# KiCad board 8851_HW-U1-VCU118_REV2-0_071417.kicad_pcb (continued)
## Routing (per net, layer and track width the routed paths; a pad name or vN(x,y) marks a point on that pad's centre or on a via; arc(x,y) is an arc through that point) (continued)
  BOTTOM w0.275: 151.15,99.13 151.15,99.65 v3(151,99.8)
DDR4_C2_VREFA: length 3
  TOP w0.375: 161.38,44.84 v1(161.77,44.45)
  BOTTOM w0.25: v1(161.77,44.45) 161.82,44.4 C1144.1 161.82,42.7 161.86,42.65 162.49,42.65
DDR4_C2_VREFB: length 3
  TOP w0.375: 161.38,58.72 v1(161.77,58.32)
  BOTTOM w0.25: v1(161.77,58.32) 161.82,58.28 C1147.1 161.82,57.12 161.86,57.08 161.86,56.53 162.49,56.53
DDR4_C2_VREFC: length 3
  TOP w0.375: 161.38,72.59 v1(161.77,72.2)
  BOTTOM w0.25: 162.49,70.4 161.86,70.4 161.86,71.44 C1150.1 161.82,72.15 v1(161.77,72.2)
DDR4_C2_VREFD: length 3
  TOP w0.375: 161.38,86.47 v1(161.77,86.07)
  BOTTOM w0.25: 162.49,84.28 161.86,84.28 161.86,84.74 161.82,84.79 C1153.1 161.82,86.03 v1(161.77,86.07)
DDR4_C2_VREFE: length 2.9
  TOP w0.375: 161.38,30.72 v1(161.77,30.32)
  BOTTOM w0.25: v1(161.77,30.32) 161.82,30.28 C1162.1 161.86,29.57 161.86,28.65 162.49,28.65
DDR4_C2_VTERM_0V60_PGOOD: length 116.1
  TOP w0.138: Q37.1 v3(202.43,152.7)
  05_SIG2 w0.17: v3(141.94,101.54) 143.38,102.99 144.19,102.99 147.94,106.74 152.73,106.74 153.61,105.86 154.25,105.86 154.69,106.29 156.53,106.29 157.43,105.39 164.81,105.39 170.38,110.97 170.38,120.48 172.22,122.33 172.22,129.65 167.94,133.94 167.94,136.6 168.4,137.06 168.4,142.9 173.33,147.83 178.02,147.83 178.02,147.83 178.47,147.83 181.95,151.3 189.48,151.3 190.28,152.1 194.33,152.1 195.12,151.31 199.88,151.31 200.79,152.22 200.79,152.87 201.17,153.24 201.88,153.24 v3(202.43,152.7)
  BOTTOM w0.15: 143.79,100.53 143.79,99.97 143.62,99.8 143.62,99.55 143.49,99.42 R929.2 143.49,98.3 143.25,98.06 142.33,98.06 141.94,98.45 v3(141.94,101.54)
DDR4_C2_VTERM_EN: length 4
  BOTTOM w0.15: 144.77,100.53 144.77,98.95 144.12,98.3 144.12,97.67 143.88,97.42 R928.2
DDR4_C2_VTERM_REFOUT: length 1.5
  TOP w0.15: v3(146,100.53) 145.98,100.55 145.24,100.55
  BOTTOM w0.15: v3(146,100.53) 145.27,100.53
DDR4_C2_VTT: length 73.7
  TOP w0.25: v3(161.15,97.39) 161.16,97.4 161.16,98.3
  TOP w0.375: 146.95,101.93 146.95,101.1 v3(147,101.05) ; v3(149.32,101.07) 149.32,101.4 149.4,101.49 149.4,101.97 ; 148.28,101.77 v3(148.28,101.08) ; C1158.1 150.13,97.81 v3(149.88,97.55)
  16_SIG5 w0.375: v3(174.93,138.45) 174,137.53 174,128 174.97,127.02 174.97,113.6 166.96,105.59 166.96,102.08 168.22,100.83 168.22,99.31 167.5,98.59 162.36,98.59 v3(161.15,97.39)
  20_SIG7 w0.375: J88.1 161.57,141.93 167.5,141.93 169.58,139.84 173.54,139.84 v3(174.93,138.45)
  BOTTOM w0.3: 144.28,103.44 144.28,104.51 144.32,104.55
DDR4_C2_ZQA: length 1.5
  TOP w0.15: 156.65,51.14 v1(156.26,51.53)
  BOTTOM w0.25: v1(156.26,51.53) 155.73,52.06 155.73,52.24
  vias: v1(155.47,46.02)
DDR4_C2_ZQB: length 1.5
  TOP w0.15: 156.65,65.02 v1(156.26,65.41)
  BOTTOM w0.15: 155.73,66.12 155.73,66.04 156.26,65.52 v1(156.26,65.41)
  vias: v1(155.47,59.9)
DDR4_C2_ZQC: length 1.6
  TOP w0.15: 156.65,78.89 v1(156.26,79.28)
  BOTTOM w0.25: 155.73,80.12 155.73,79.81 v1(156.26,79.28)
  vias: v1(155.47,73.77)
DDR4_C2_ZQD: length 1.6
  TOP w0.15: 156.65,92.77 v1(156.26,93.16)
  BOTTOM w0.15: v1(156.26,93.16) 155.73,93.69 155.73,93.99
  vias: v1(155.47,87.65)
DDR4_C2_ZQE: length 1.6
  TOP w0.15: 156.65,37.02 v1(156.26,37.41)
  BOTTOM w0.25: v1(156.26,37.41) 155.73,37.94 155.73,38.24
  vias: v1(155.47,31.9)
DXN: length 95.4
  TOP w0.102: C240.2 v3(175.12,34.88)
  TOP w0.15: v2(118.34,57.92) 117.85,58.41
  07_SIG3 w0.092: 125.61,40.57 125.61,40.59 125.66,40.64 125.66,44.75 125.61,44.79 125.61,46.57 125.66,46.61 125.66,58.22 125.56,58.32 118.75,58.32 v2(118.34,57.92)
  07_SIG3 w0.133: v3(124.85,35.84) 125.08,35.61 125.27,35.61 125.4,35.74 125.4,36.25 126.17,37.02 126.17,39.17 125.61,39.74 125.61,40.57
  14_SIG4 w0.087: v3(124.85,35.84) 125.11,35.58 126.36,35.58 132.51,29.43 133.98,29.43 134.04,29.48 139.15,29.48 143.59,25.05 148.85,25.05 149.18,25.38 151.72,25.38 152.05,25.05 155.6,25.05 156.16,25.6 164.18,25.6 169.29,30.71 169.78,30.71 170.33,31.26 170.33,32.8 171.06,33.53 171.06,34.87 171.95,35.76 174.31,35.76 174.76,35.31 174.76,35.04 174.93,34.88 v3(175.12,34.88)
  BOTTOM w0.102: Z8.1 v3(175.12,34.88)
DXP: length 110.3
  TOP w0.102: v3(174.13,34.88) C240.1
  TOP w0.15: v3(171.85,36.35) 172.17,36.67 172.62,36.67 ; 117.85,59.39 v2(118.34,58.9)
  07_SIG3 w0.092: 125.88,40.57 125.88,40.59 125.83,40.64 125.83,44.82 125.79,44.86 125.79,46.5 125.83,46.54 125.83,58.3 125.63,58.5 118.75,58.5 v2(118.34,58.9)
  07_SIG3 w0.133: v3(124.85,35.04) 125.13,35.33 125.38,35.33 125.67,35.62 125.67,36.14 126.44,36.91 126.44,39.29 125.88,39.85 125.88,40.57
  14_SIG4 w0.087: v3(174.13,34.88) 174.32,34.88 174.49,35.04 174.49,35.2 174.2,35.48 172.06,35.48 171.34,34.76 171.34,33.41 170.61,32.68 170.61,31.15 169.9,30.43 169.4,30.43 164.3,25.33 156.27,25.33 155.72,24.77 151.94,24.77 151.61,25.1 149.45,25.1 149.12,24.77 143.48,24.77 141.7,26.55 139.04,29.21 134.15,29.21 134.1,29.15 132.4,29.15 126.24,35.31 125.11,35.31 v3(124.85,35.04)
  BOTTOM w0.102: v3(174.13,34.88) 173.72,35.28 173.72,35.65 173.94,35.86 174.64,35.86
  BOTTOM w0.15: U31.8 171.08,35.86 171.57,36.35 v3(171.85,36.35) 171.85,34.75 170.62,33.53 170.62,31.05 172.02,29.66 172.02,27.55
ENET_LED_0: length 35.6
  TOP w0.102: U7.47 34,141.45 34.14,141.58 34.14,142.36 v3(33.79,142.7)
  TOP w0.15: 39.64,139.62 39.02,139.62 38.75,139.35 v3(38.75,138.85) ; v3(45.1,139.75) 45.42,140.08 45.88,140.08 46.35,140.55 Q18.1 ; v3(42.5,142.75) R62.1
  05_SIG2 w0.133: v3(33.79,142.7) 34.11,142.39 34.11,142.2 33.79,141.88 33.12,141.88 32.4,142.6 32.4,143.71 32.7,144.01 32.89,144.01 33.12,143.78 33.31,143.78 33.5,143.97 33.5,144.16 33.27,144.39 33.27,144.58 34.02,145.34 34.02,148.55 33.17,149.41 33.17,150.37 33.27,150.47 34.03,150.47
  05_SIG2 w0.17: v3(45.1,139.75) 44.92,139.75 44.45,139.28 43.7,139.28 43.08,139.9 43.08,142.18 v3(42.5,142.75) 40.95,141.2 40.95,139.88 39.92,138.85 v3(38.75,138.85)
  BOTTOM w0.15: v3(42.5,142.75) R62.1 ; v3(45.1,139.75) 45.38,140.03 46.23,140.03 46.48,139.77 46.48,139.35 46.12,138.98 46.12,138.18
ENET_LED_0_LS: length 8
  TOP w0.15: 42.87,145.18 44.48,145.18 44.94,144.71 44.94,142.94 44.73,142.73 44.73,142.33 45.19,141.86 45.19,141.74 45.95,140.98 46.4,140.98 46.76,141.34 Q18.3
ENET_LED_1: length 27.1
  TOP w0.102: v3(34.71,142.7) 34.36,142.36 34.36,141.58 34.5,141.45 U7.46
  TOP w0.138: R63.1 v3(41.62,140.93)
  TOP w0.15: 41.3,141.96 41.3,141.25 v3(41.62,140.93) 40.98,140.28 40.98,139.73 40.38,139.13 39.64,139.13 ; v3(43.67,142.7) 44.03,143.06 44.27,143.06
  05_SIG2 w0.133: v3(34.71,142.7) 34.39,142.39 34.39,142.08 33.9,141.6 33.01,141.6 32.12,142.49 32.12,143.83 33.75,145.45 33.75,148.44 32.89,149.29 32.89,150.36 32.78,150.47 32.03,150.47
  BOTTOM w0.15: R63.1 v3(41.62,140.93) 41.3,141.25 41.3,141.96 41.81,141.96 41.98,142.12 41.98,143.03 42.35,143.4 42.98,143.4 v3(43.67,142.7)
ENET_LED_1_LS: length 16.3
  TOP w0.15: v3(43.38,144.3) 43.48,144.19 43.48,143.45
  14_SIG4 w0.087: v3(43.38,144.3) 43.38,145.1 42.5,145.98 32,145.98 30,147.97
ENET_LED_2: length 9.5
  TOP w0.138: v3(41.61,139.82) 41.72,139.93 R64.1
  TOP w0.15: 39.64,138.64 40.46,138.64 41.33,139.5 41.33,139.63 41.51,139.82 v3(41.61,139.82)
  TOP w0.25: U7.45 v3(34.99,141.8)
  BOTTOM w0.15: 42.47,137.64 42.43,137.68 R204.1 42.43,139.85 R64.1 41.72,139.93 v3(41.61,139.82) 41.52,139.91 40.95,139.91
  BOTTOM w0.25: v3(34.99,141.8) 34.87,141.68 34.87,140.79
ENET_LED_2_LS: length 8.4
  BOTTOM w0.15: Q59.3 40.55,140.82 39.98,141.4 39.52,141.4 39,141.93 39,144.93 39.55,145.47 39.55,147.97
ENET_TD_A_N: length 10.6
  TOP w0.15: 31.25,141.14 29.8,141.14 29.8,140.33 29.5,140.03 27.62,140.03 27.5,139.9 27.5,139.65 27.65,139.5 30.93,139.5 31.3,139.87 31.55,139.62 U7.2
ENET_TD_A_P: length 10.6
  TOP w0.102: 38.93,140.83 38.93,141.45 38.77,141.61 38.77,146.77 38.27,147.27 38.27,148.33 39.13,149.18 39.13,149.58 40.02,150.47
ENET_TD_B_N: length 19.3
  TOP w0.102: v3(36.75,142.55) 37.09,142.21 37.09,141.58 36.96,141.45 36.96,140.83
  07_SIG3 w0.133: 39.02,152.97 38.3,152.97 38.16,152.84 38.16,152.25 36.8,150.89 36.8,147.51 39.12,145.19 39.12,141.54 38.64,141.05 37.44,141.05 37.07,141.42 37.07,142.23 v3(36.75,142.55)
ENET_TD_B_P: length 19.4
  TOP w0.102: v3(37.66,142.55) 37.32,142.21 37.32,141.58 37.45,141.45 37.45,140.83
  07_SIG3 w0.133: 37.02,152.97 37.75,152.97 37.89,152.84 37.89,152.36 36.52,151 36.52,147.4 38.85,145.08 38.85,142.94 38.72,142.8 38.36,142.8 38.23,142.67 38.23,142.41 38.36,142.27 38.72,142.27 38.85,142.14 38.85,141.65 38.52,141.33 37.55,141.33 37.34,141.53 37.34,142.23 v3(37.66,142.55)
ENET_XI: length 16.3
  TOP w0.102: U7.15 34.5,133.4 34.63,133.27 34.63,133.03 34.27,132.68 33.15,132.68 32.9,132.43 32.9,132.05 32.83,131.98 32.39,131.98
  TOP w0.15: 32.8,139.13 31.55,139.13 31.3,138.89 31.04,139.15 27.5,139.15 27.12,139.53 27.12,143.25 27.29,143.41 27.95,143.41 27.95,144.33 28.2,144.58 C144.1
FAN_FAIL_B: length 14.9
  TOP w0.15: v3(176,37.42) 176,37.08 175.63,36.71 R192.2
  05_SIG2 w0.17: v3(176,37.42) 176.65,36.77 176.65,28.96 v3(175.91,28.22)
  BOTTOM w0.15: v3(175.91,28.22) 175.76,28.07 Q22.3 ; 174.64,38.36 175.44,38.36 176,37.8 v3(176,37.42)
FAN_FAIL_LS_B: length 116
  TOP w0.15: v3(174.29,24.5) 173.75,25.04 173.75,26.55 171.97,28.32 170.18,28.32 168.62,29.89 152.04,29.89 149.3,32.63 143.45,32.63 142,31.17 142,29.92 141.52,29.45 140.73,29.45 138.62,27.34 132.91,27.34 131.87,28.38 131.87,32.78 128.88,35.77 v3(126.93,35.77) ; 131.63,74.16 v2(132.12,74.65)
  07_SIG3 w0.17: v2(132.12,74.65) 131.72,74.65 131.31,74.24 130.93,74.24 130.65,73.96 130.65,73.36 130.46,73.17 129.9,73.17 129.66,72.94 129.66,72.49 129.37,72.19 125.05,72.19 124.74,71.88 124.74,71.36 124.58,71.2 123.97,71.2 123.76,70.99 123.76,66.55 124.02,66.28 125.6,66.28 125.73,66.16 125.73,65 125.9,64.83 126.85,64.83 127.69,63.98 127.69,36.53 v3(126.93,35.77)
  BOTTOM w0.15: 173.86,27.28 173.86,26.66 173.76,26.56 173.76,26.05 173.76,25.03 v3(174.29,24.5)
  BOTTOM w0.375: Q22.2 174.64,26.74 174.74,26.64 R210.2 174.74,25.74 v3(174.3,25.3)
FAN_OT_LS_B: length 134.3
  TOP w0.15: v2(136.06,81.54) 135.57,81.05
  03_SIG1 w0.17: v3(140.78,98.42) 141.52,98.42 141.97,98.86 141.97,99.64 142.92,100.6 144.77,100.6 146.76,102.58 146.76,103.25 147.36,103.85 147.36,104.31 148.65,105.59 148.65,105.6 156.26,105.6 157.25,104.6 168.46,104.6 169.51,103.55 169.51,92.53 168.98,92 168.98,87.58 167.86,86.46 167.86,77.95 166.88,76.97 166.88,67.9 165.62,66.64 165.62,49.5 166.5,48.62 166.5,43.73 167.34,42.89 167.34,38.44 168.38,37.39 168.38,34.32 168.1,34.04 168.1,28.87 v3(168.7,28.27)
  20_SIG7 w0.087: v2(136.06,81.54) 136.55,82.03 136.55,88.28 139.51,91.25 139.51,95.08 139.92,95.48 139.92,96.13 140.78,96.99 v3(140.78,98.42)
  BOTTOM w0.15: 171.23,27.94 170.78,27.94 170.68,28.04 168.93,28.04 v3(168.7,28.27)
FAN_PWR_B: length 4.6
  TOP w0.15: J73.1 169.27,31.84 169.27,33.8 170.05,34.58 170.05,36.14
FIREFLY_INT_B: length 10.5
  TOP w0.15: 43.34,83.9 43.34,82.97 v3(42.88,82.51)
  03_SIG1 w0.17: v3(48.51,77.92) 48.34,77.75 46.95,77.75 42.88,81.83 v3(42.88,82.51)
  BOTTOM w0.15: U22.9 v3(48.51,77.92)
FIREFLY_INT_LS_B: length 121.9
  TOP w0.15: v2(139.01,65.79) 138.52,65.3
  05_SIG2 w0.17: v3(63.84,91.12) 63.84,88.92 63.48,88.55 59.9,88.55 57.93,86.58 57.93,81.11 54.93,78.1 52.53,78.1 51.79,77.36 v3(51.79,76.48)
  BOTTOM w0.111: 134.92,67.25 134.8,67.37 131.78,67.37 131.63,67.52
  BOTTOM w0.15: v3(63.84,91.12) 65.6,89.36 80.21,89.36 82.15,91.3 85.03,91.3 85.97,90.35 99.75,90.35 101.12,88.98 101.12,82.33 101.42,82.03 101.84,82.03 102.1,81.77 102.1,81.35 102.4,81.05 102.85,81.05 103.1,80.8 103.1,79.36 103.38,79.08 103.78,79.08 104.07,78.78 104.07,78.38 104.33,78.12 104.83,78.12 105.06,77.89 105.06,77.41 105.31,77.15 105.8,77.15 106,76.95 106,76.46 106.34,76.12 116.13,76.12 117.11,75.14 117.56,75.14 117.85,74.84 117.85,74.38 118.08,74.16 126.47,74.16 126.71,73.92 126.71,73.47 127.01,73.17 127.48,73.17 127.69,72.96 127.69,72.48 127.99,72.19 128.44,72.19 128.68,71.95 128.68,71.5 128.97,71.2 129.47,71.2 129.66,71.01 129.66,70.52 129.96,70.22 130.51,70.22 130.65,70.08 130.65,69.53 130.94,69.24 131.4,69.24 131.63,69 131.63,67.52 ; U22.4 51.6,77.92 51.79,77.73 v3(51.79,76.48) ; v2(139.01,65.79) 138.51,66.29 138.51,67.01 138.27,67.25 134.92,67.25
FIREFLY_MODPRS_B: length 12
  TOP w0.15: 44.92,83.9 v3(44.92,82.57)
  05_SIG2 w0.17: v3(48.82,76.57) 48.82,76.86 48.01,77.68 47.06,77.68 44.92,79.81 v3(44.92,82.57)
  BOTTOM w0.15: 49.36,77.53 49.04,77.53 48.82,77.31 v3(48.82,76.57)
  BOTTOM w0.2: v3(48.75,79.04) 48.75,78.6 49.03,78.32 U22.8
FIREFLY_MODPRS_LS_B: length 109.5
  TOP w0.15: 136.55,63.33 v2(137.04,62.84)
  03_SIG1 w0.17: v3(51.14,77.03) 51.76,77.66 55.29,77.66 59.67,73.28 61.11,73.28 63.2,71.19 v3(64.69,71.19)
  BOTTOM w0.111: 130.51,59.39 130.61,59.29 132.4,59.29 132.71,59.61 132.71,60.15 132.84,60.28 133.4,60.28 133.7,60.57 133.7,61.05 134,61.35 134.4,61.35 134.52,61.47 135.26,61.47 135.53,61.74 135.53,62.09
  BOTTOM w0.15: v3(64.69,71.19) 65.63,70.24 65.63,67.75 66.92,66.46 79.79,66.46 81.02,65.23 81.02,60.65 81.24,60.42 81.82,60.42 83.23,59.01 83.23,58.49 83.7,58.03 90.1,58.03 92.45,60.38 105.74,60.38 106.04,60.67 106.04,61.07 106.34,61.36 106.73,61.36 107.02,61.66 107.02,62.1 107.27,62.35 107.71,62.35 108.01,62.64 108.01,62.93 108.4,63.33 111.65,63.33 111.95,63.63 111.95,64 112.92,64.97 115.68,64.97 116.37,64.28 125.5,64.28 125.73,64.04 125.73,63.62 126.02,63.33 126.43,63.33 126.71,63.05 126.71,62.64 127.01,62.35 127.4,62.35 127.69,62.05 127.69,61.64 127.97,61.36 128.44,61.36 128.68,61.12 128.68,60.67 128.97,60.38 129.37,60.38 129.66,60.08 129.66,59.69 129.96,59.39 130.51,59.39 ; v2(137.04,62.84) 136.56,62.35 135.79,62.35 135.53,62.09 ; 51.14,77.53 v3(51.14,77.03)
FIREFLY_MODSEL_LS_B: length 303.5
  TOP w0.15: 135.57,64.31 v2(136.06,63.82)
  14_SIG4 w0.087: v3(36.03,36.58) 36.03,15.94 37.74,14.23 44.83,14.23 45.29,13.76 51.04,13.76 52.53,15.25 65.03,15.25 65.86,14.43 78.62,14.43 79.28,15.09 81.28,15.09 82.64,13.73 86.48,13.73 87.47,14.71 90.43,14.71 91.61,13.53 99.92,13.53 100.12,13.33 113.95,13.33 116.03,15.4 118.58,15.4 119.35,16.18 119.35,17.93 117.01,20.27 117.01,20.9 116.02,21.89 116.02,25.67 118.78,28.43 132.71,28.43 133.8,27.33 138.34,27.33 139.88,25.8 141.47,25.8 143.46,23.82 154.79,23.82 155.21,24.24 156.61,24.24 157.1,24.73 164.35,24.73 166.37,26.74 168.63,26.74 169.75,27.86 v3(169.75,29.8)
  16_SIG5 w0.087: v3(169.75,29.8) 169.09,29.8 168.06,30.83 168.06,31.89 166.47,33.48 152.29,33.48 142.65,43.12 142.65,46.45 140.43,48.67 135.88,48.67 135.65,48.91 135.65,49.31 135.31,49.65 132.96,49.65 132.7,49.91 132.7,52.22 132.88,52.4 133.39,52.4 133.7,52.71 133.7,62.25 133.85,62.4 134.32,62.4 134.6,62.67 134.6,63.1 134.82,63.32 135.56,63.32 v2(136.06,63.82)
  20_SIG7 w0.087: v3(54.8,76.96) 55.26,76.5 55.26,75.62 53.83,74.2 53.83,66.41 52.4,64.97 38,64.97 36.03,63.01 v3(36.03,36.58)
  BOTTOM w0.15: 54.51,77.53 54.51,77.25 v3(54.8,76.96)
  BOTTOM w0.2: U33.5 v3(54.51,78.89)
FIREFLY_RESET_B: length 20.8
  TOP w0.15: 42.56,83.9 42.56,84.78 42.9,85.12 v3(44.35,85.12)
  20_SIG7 w0.087: v3(52.04,75.74) 49.95,75.74 49.61,76.08 48.45,76.08 48.02,76.5 47.03,76.5 46.52,77.02 46.52,79.51 44.41,81.62 44.41,84.11 44.35,84.17 v3(44.35,85.12)
  BOTTOM w0.15: U33.9 52.28,77.92 52.14,77.78 52.14,76.84 52.29,76.69 52.29,75.98 v3(52.04,75.74)
FIREFLY_RESET_LS_B: length 109.2
  TOP w0.15: v2(138.03,65.79) 137.54,65.3
  18_SIG6 w0.087: v3(55.04,79.51) 57.53,82 57.53,86.15 60.19,88.8 v3(64.98,88.8)
  BOTTOM w0.111: 119.72,73.27 122.9,73.27 ; 131.53,67.17 134.41,67.17 134.47,67.1
  BOTTOM w0.15: v3(55.04,79.51) 55.16,79.39 55.16,78.12 54.97,77.92 U33.4 ; 134.47,67.1 134.59,66.99 134.59,66.54 134.86,66.26 137.55,66.26 v2(138.03,65.79) ; 122.9,73.27 123,73.17 126.41,73.17 126.71,72.88 126.71,72.48 127.01,72.19 127.4,72.19 127.69,71.89 127.69,71.5 127.99,71.2 128.38,71.2 128.68,70.91 128.68,70.52 128.97,70.22 129.37,70.22 129.66,69.92 129.66,69.53 129.96,69.24 130.35,69.24 130.65,68.94 130.65,67.56 130.96,67.25 131.33,67.25 131.42,67.17 131.53,67.17 ; 119.72,73.27 119.62,73.17 117.08,73.17 116.83,73.42 116.83,73.9 115.58,75.14 106.34,75.14 106.05,75.43 106.05,75.82 105.74,76.12 105.4,76.12 105.06,76.47 105.06,76.81 104.77,77.1 104.33,77.1 104.07,77.35 104.07,77.87 103.85,78.09 103.3,78.09 103.09,78.31 103.09,78.78 102.79,79.08 102.4,79.08 102.1,79.37 102.1,79.85 101.89,80.06 101.42,80.06 101.12,80.36 101.12,80.75 100.82,81.05 100.43,81.05 100.13,81.34 100.13,81.73 99.84,82.03 99.45,82.03 99.15,82.33 99.15,87.87 98.05,88.97 80.83,88.97 80.65,88.8 v3(64.98,88.8)
FIREFLY_RX1_N: length 93.5
  TOP w0.102: 39.01,65.73 39.01,66.32 arc(39.02,66.36) 39.04,66.39 39.12,66.46 arc(39.14,66.5) 39.15,66.54 39.15,66.82 arc(39.18,66.98) 39.26,67.11 arc(39.3,67.16) 39.31,67.23 39.31,68.38 arc(39.36,68.6) 39.48,68.78 39.72,69.02 arc(39.87,69.12) 40.05,69.16 arc(40.18,69.18) 40.29,69.25 40.49,69.45 arc(40.59,69.6) 40.62,69.78 40.62,70.34 arc(40.6,70.44) 40.55,70.52 v3(40.24,70.83)
  TOP w0.113: v2(102.6,42.17) 103.09,42.66
  05_SIG2 w0.107: v2(102.6,42.17) 102.6,42.45 arc(102.56,42.53) 102.49,42.56 101.42,42.56 arc(101.69,43.22) 101.03,42.95 101.03,43.29 arc(100.96,43.47) 100.78,43.54 93.54,43.54 arc(93.33,43.59) 93.15,43.71 93,43.86 arc(92.94,43.89) 92.87,43.91 92.39,43.91 arc(92.31,43.89) 92.25,43.85
  05_SIG2 w0.15: v3(40.24,70.83) 40.5,70.57 arc(40.54,70.52) 40.55,70.46 40.55,69.82 arc(41.95,70.4) 41.37,68.99 42.06,68.99 arc(42.37,68.86) 42.5,68.55 42.5,66.42 arc(44.51,67.26) 43.68,65.25 52.86,65.25 arc(54.78,64.87) 56.4,63.78 56.85,63.34 56.85,63.34 64.59,55.6 arc(64.78,55.31) 64.85,54.98 64.85,51.63 arc(65.25,49.64) 66.38,47.95 arc(67.19,47.4) 68.15,47.21 68.53,47.21 arc(69.25,47.07) 69.86,46.66 arc(70.41,46.29) 71.06,46.16 82.31,46.16 arc(82.95,46.04) 83.49,45.67 84.84,44.33 arc(85.36,43.98) 85.98,43.85 92.25,43.85
FIREFLY_RX1_P: length 91.7
  TOP w0.102: 39.5,65.73 39.5,66.32 arc(39.5,66.36) 39.47,66.39 39.4,66.46 arc(39.57,66.58) 39.37,66.54 39.37,66.82 arc(39.38,66.89) 39.42,66.95 arc(39.51,67.08) 39.54,67.23 39.54,68.38 arc(39.57,68.51) 39.64,68.62 39.88,68.86 arc(39.96,68.91) 40.05,68.93 arc(40.27,68.97) 40.45,69.1 40.65,69.29 arc(40.8,69.51) 40.85,69.78 40.85,70.34 arc(40.87,70.44) 40.93,70.53 v3(41.23,70.83)
  TOP w0.113: v2(102.6,43.15) 103.09,43.64
  05_SIG2 w0.107: 92.25,44.23 92.28,44.2 arc(92.38,44.13) 92.49,44.11 92.87,44.11 arc(93.02,44.08) 93.14,44 93.29,43.85 arc(93.41,43.77) 93.54,43.74 100.78,43.74 arc(101.1,43.61) 101.23,43.29 101.23,42.95 arc(101.55,43.08) 101.42,42.76 102.49,42.76 arc(102.56,42.79) 102.6,42.87 v2(102.6,43.15)
  05_SIG2 w0.15: 92.25,44.23 85.98,44.23 arc(85.51,44.32) 85.1,44.59 83.76,45.94 arc(83.09,46.38) 82.31,46.54 71.06,46.54 arc(70.55,46.64) 70.13,46.92 arc(69.39,47.42) 68.53,47.59 68.15,47.59 arc(67.33,47.75) 66.64,48.21 arc(65.59,49.78) 65.23,51.63 65.23,54.98 arc(65.13,55.46) 64.86,55.87 58.19,62.54 58.17,62.55 arc(58.17,62.55) 58.17,62.55 56.67,64.05 arc(54.92,65.21) 52.86,65.62 43.68,65.62 arc(44.24,66.99) 42.88,66.42 42.88,66.84 arc(42.94,67) 43.11,67.07 arc(43.28,67.14) 43.35,67.31 43.35,67.59 arc(43.28,67.75) 43.11,67.82 arc(43.28,68.23) 42.88,68.06 42.88,68.55 arc(42.64,69.13) 42.06,69.37 41.37,69.37 arc(41.69,70.13) 40.92,69.82 40.92,70.46 arc(40.93,70.52) 40.97,70.57 v3(41.23,70.83)
FIREFLY_RX2_N: length 114.2
  TOP w0.102: 39.01,64.15 39.01,63.7 arc(39.25,63.75) 39.05,63.61 39.1,63.56 arc(39.13,63.51) 39.15,63.45 39.15,62.97 arc(39.12,62.83) 39.04,62.71 v3(38.77,62.43)
  TOP w0.113: v2(100.63,42.17) 101.12,42.66
  05_SIG2 w0.107: v2(100.63,42.17) 100.63,42.45 arc(100.6,42.53) 100.52,42.56 100.41,42.56 arc(100.29,42.51) 100.24,42.38 100.24,41.83 arc(100.7,41.92) 100.31,41.65 100.32,41.64 100.32,41.61
  05_SIG2 w0.15: v3(38.77,62.43) 39.03,62.17 arc(39.06,62.13) 39.07,62.07 39.07,61.51 arc(39.04,61.34) 38.94,61.2 38.01,60.26 arc(38.01,60.26) 38,60.26 37.6,59.86 arc(39.84,58.36) 37.2,58.89 37.2,57.01 arc(38.73,57.64) 38.1,56.11 43.45,56.11 arc(43.81,56.18) 44.12,56.39 45.04,57.31 arc(45.8,57.81) 46.69,57.99 56.3,57.99 arc(56.79,57.89) 57.21,57.62 57.61,57.21 arc(57.91,56.76) 58.02,56.23 58.02,52.6 arc(65.07,54) 59.09,50.01 65.89,43.22 arc(67.21,42.33) 68.76,42.03 80.79,42.03 arc(81.17,41.95) 81.49,41.73 82.57,40.66 arc(83.26,40.2) 84.06,40.04 99,40.04 arc(99.94,40.43) 100.32,41.36 100.32,41.61
FIREFLY_RX2_P: length 104.9
  TOP w0.102: v3(39.75,62.43) 39.47,62.72 arc(39.4,62.82) 39.37,62.95 39.37,63.45 arc(39.67,63.39) 39.42,63.56 39.46,63.61 arc(39.49,63.65) 39.5,63.71 39.5,64.15
  TOP w0.113: v2(100.63,43.15) 101.12,43.64
  05_SIG2 w0.107: v2(100.63,43.15) 100.63,42.87 arc(100.6,42.79) 100.52,42.76 100.41,42.76 arc(100.15,42.65) 100.04,42.38 100.04,41.83 arc(100.02,41.73) 99.97,41.65 99.95,41.64 99.95,41.61
  05_SIG2 w0.15: 99.95,41.61 99.95,41.36 arc(99.67,40.69) 99,40.41 84.06,40.41 arc(83.4,40.55) 82.84,40.92 81.76,42 arc(81.32,42.3) 80.79,42.4 68.76,42.4 arc(67.35,42.68) 66.15,43.48 59.36,50.28 arc(64.72,53.86) 58.39,52.6 58.39,56.23 arc(58.26,56.91) 57.88,57.48 57.48,57.88 arc(56.94,58.24) 56.3,58.37 46.69,58.37 arc(45.65,58.16) 44.77,57.57 43.85,56.65 arc(43.67,56.53) 43.45,56.49 38.1,56.49 arc(38.46,57.38) 37.58,57.01 37.58,57.42 arc(37.63,57.54) 37.75,57.59 arc(37.87,57.65) 37.92,57.77 37.92,58.17 arc(37.87,58.29) 37.75,58.34 arc(37.87,58.64) 37.58,58.52 37.58,58.89 arc(37.65,59.27) 37.87,59.59 38.27,59.99 arc(38.38,60.04) 38.49,59.99 arc(38.66,59.93) 38.82,59.99 39.02,60.2 arc(39.09,60.36) 39.02,60.52 arc(39.3,60.64) 39.02,60.75 39.21,60.93 arc(39.38,61.2) 39.45,61.51 39.45,62.07 arc(39.46,62.13) 39.49,62.17 v3(39.75,62.43)
FIREFLY_RX3_N: length 83.3
  TOP w0.102: v3(40.24,67.44) 40.53,67.16 arc(40.6,67.05) 40.62,66.93 40.62,66.43 arc(40.61,66.37) 40.58,66.32 40.53,66.27 arc(40.5,66.23) 40.49,66.17 40.49,65.73
  TOP w0.113: v2(98.66,42.17) 99.15,42.66
  TOP w0.375: v2(93.74,82.52) U1.F1
  05_SIG2 w0.107: v2(98.66,42.17) 98.66,42.45 arc(98.63,42.53) 98.55,42.56 98.4,42.56 arc(98.3,42.52) 98.25,42.41 98.25,41.82 arc(98.1,41.46) 97.75,41.31 97.38,41.31 arc(97.29,41.29) 97.22,41.25 97.2,41.22 97.17,41.22
  05_SIG2 w0.15: v3(40.24,67.44) 40.5,67.18 arc(40.54,67.14) 40.55,67.08 40.55,64.39 arc(40.54,64.33) 40.5,64.28 40.49,64.27 arc(40.46,64.22) 40.45,64.17 40.45,61.86 arc(42.06,62.53) 41.4,60.92 46.24,60.92 arc(46.4,60.89) 46.52,60.8 arc(46.82,60.61) 47.16,60.54 54.74,60.54 arc(55.94,60.3) 56.96,59.62 59.21,57.36 arc(59.77,56.53) 59.96,55.56 59.96,53.22 arc(60.41,50.97) 61.69,49.06 66.71,44.03 arc(67.82,43.3) 69.11,43.04 77.59,43.04 arc(78.09,43.14) 78.52,43.42 arc(78.95,43.71) 79.46,43.81 80.17,43.81 arc(81.03,43.64) 81.76,43.16 82.25,42.67 82.92,42 arc(83.78,41.42) 84.79,41.22 97.17,41.22
FIREFLY_RX3_P: length 83
  TOP w0.102: v3(41.23,67.44) 40.95,67.17 arc(40.88,67.05) 40.85,66.91 40.85,66.43 arc(41.17,66.5) 40.9,66.32 40.94,66.27 arc(40.97,66.23) 40.98,66.18 40.98,65.73
  TOP w0.113: v2(98.66,43.15) 99.15,43.64
  05_SIG2 w0.107: 97.17,41.6 97.2,41.6 97.22,41.57 arc(97.29,41.53) 97.38,41.51 97.75,41.51 arc(97.96,41.6) 98.05,41.82 98.05,42.41 arc(98.16,42.66) 98.4,42.76 98.55,42.76 arc(98.63,42.79) 98.66,42.87 v2(98.66,43.15)
  05_SIG2 w0.15: 97.17,41.6 84.79,41.6 arc(83.92,41.77) 83.18,42.26 82.03,43.42 arc(81.17,43.99) 80.17,44.19 79.46,44.19 arc(78.81,44.06) 78.26,43.69 arc(77.95,43.48) 77.59,43.41 69.11,43.41 arc(67.96,43.64) 66.98,44.3 61.95,49.33 arc(60.76,51.11) 60.34,53.22 60.34,55.56 arc(60.11,56.68) 59.48,57.63 57.22,59.88 arc(56.08,60.64) 54.74,60.91 47.16,60.91 arc(46.96,60.95) 46.79,61.07 arc(46.54,61.23) 46.24,61.29 41.4,61.29 arc(41.8,62.27) 40.83,61.86 40.83,64 arc(40.84,64.07) 40.87,64.12 arc(40.91,64.18) 40.92,64.24 40.92,64.57 arc(41,64.75) 41.18,64.83 arc(41.36,64.9) 41.43,65.08 41.43,65.32 arc(41.36,65.5) 41.18,65.58 arc(41.36,66.02) 40.92,65.83 40.92,67.08 arc(40.93,67.14) 40.97,67.18 v3(41.23,67.44)
FIREFLY_RX4_N: length 73.4
  TOP w0.102: v3(42.19,62.12) 41.84,62.47 arc(41.81,62.49) 41.77,62.5 41.15,62.5 arc(41.52,63.4) 40.62,63.03 40.62,63.34 arc(40.61,63.38) 40.59,63.42 40.52,63.49 arc(40.69,63.6) 40.49,63.56 40.49,64.15
  TOP w0.113: v2(96.69,42.17) 97.18,42.66
  05_SIG2 w0.107: v2(96.69,42.17) arc(96.58,42.45) 96.3,42.56 93.75,42.56 arc(93.64,42.54) 93.54,42.47
  05_SIG2 w0.15: v3(42.19,62.12) 42.45,62.38 arc(42.5,62.41) 42.56,62.43 43.29,62.43 arc(43.76,62.62) 43.95,63.08 43.95,63.45 arc(44.07,63.75) 44.38,63.88 52.94,63.88 arc(54.29,63.61) 55.43,62.85 61.16,57.11 arc(61.45,56.68) 61.55,56.18 61.55,52.06 arc(61.77,50.97) 62.38,50.04 65.88,46.55 arc(67.58,45.41) 69.6,45.01 82.03,45.01 arc(82.44,44.93) 82.78,44.7 83.83,43.65 arc(85.13,42.78) 86.67,42.47 93.54,42.47
